# Altium PCB Gesturelink V1.PcbDoc (part 6 of 9) (continued)
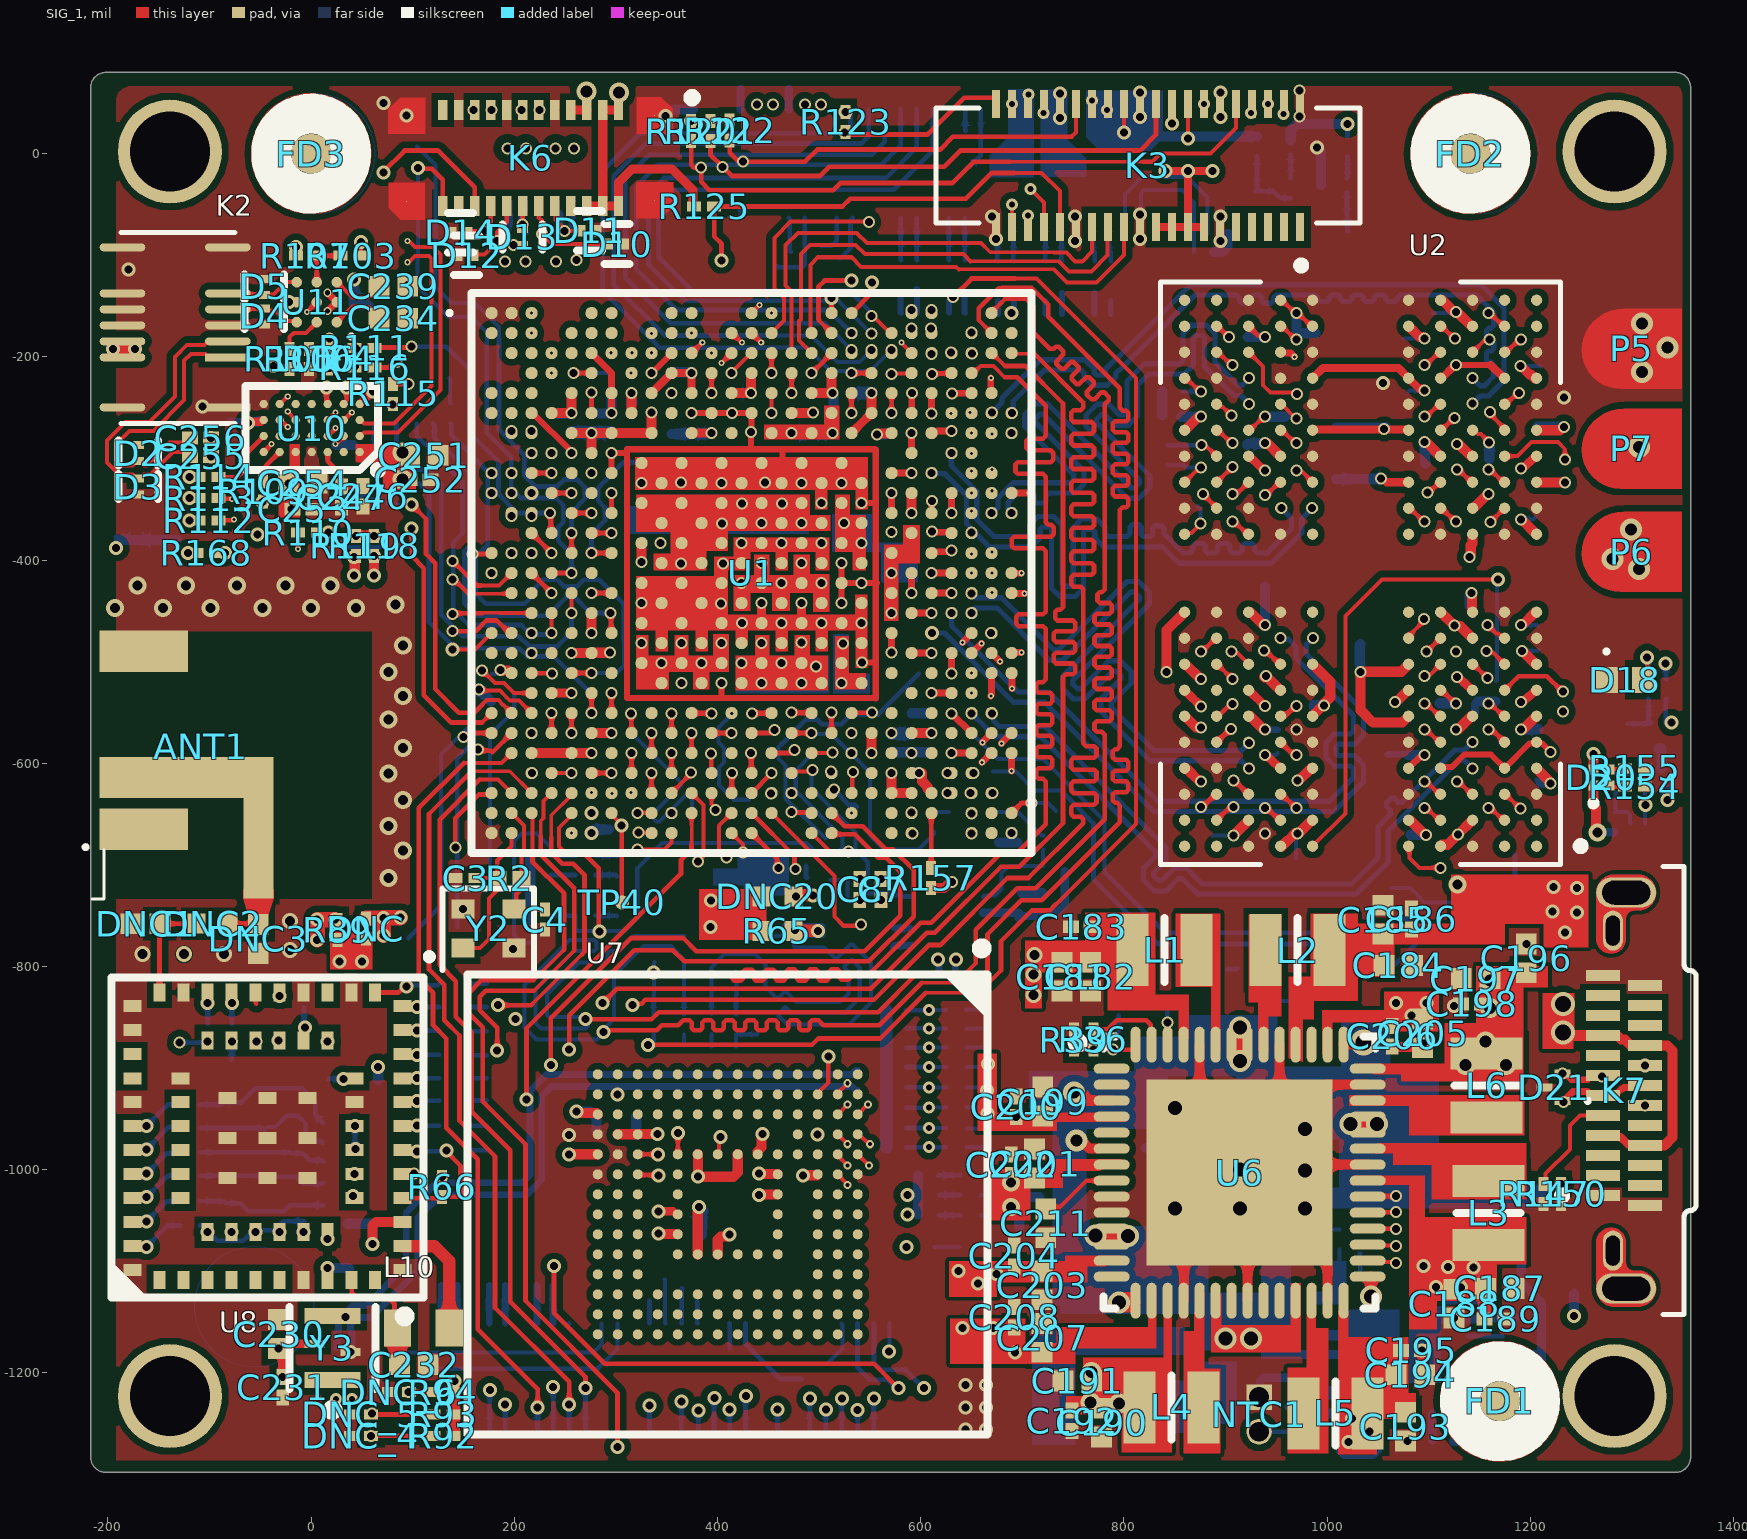
[diagram p0: SIG_1 view]
## Nets (pads, with @x,y where several pads share a name; then routed paths per layer and width w, separated by ;. In a path a pad name is that pad's centre, name@x,y a point inside that pad or via, vN(x,y) a via of type N, cw(c..) or ccw(c..) an arc to the next point about the centre after c; other vN are vias at no path point) (continued)
  SIG_2 w4.67: v7(260,-709.99) 344,-709.99 415,-638.99 415,-629.99 424,-620.99 441,-620.99 449,-628.99 449,-644.99 471,-666.99 v70(512,-666.99)
  SIG_4 w4.58: R145.2@236,-709.99 v7(260,-709.99)
  other v3: 531.9,-649.06
I2C5_SDA: R143.2 R146.2 U1.AC17 | length 530.6
  SIG_1 w4: U1.AC17@492.53,-590 492.67,-589.85 512.88,-589.85 v1(513.02,-589.71)
  SIG_4 w4: R143.2@260.16,-749.99 260.16,-762.81 262.5,-765.15 308.24,-765.15 321,-752.39 321,-702.99 345.35,-678.64 487.65,-678.64 497.08,-688.07 517.92,-688.07 523,-682.99 523,-673.47 477,-627.47 477,-606.96 493.96,-590 512.73,-590 v1(513.02,-589.71)
  SIG_4 w4.58: R146.2@235.84,-749.99 R143.2@260.16,-749.99
I2C7_SCL: R27.2 R33.1 U1.AE19 | length 727.7
  SIG_1 w4.58: U1.AE19@531.9,-629.37 532.53,-628.74 532.53,-609.06 v1(533.16,-608.43)
  HI_SPEED_SIG_2 w4.67: v50(564,-1029.99) 564,-1009.99 571,-1002.99 597,-1002.99 619,-1024.99 v34(638.22,-1024.99)
  SIG_2 w4.67: v8(459,-754.99) 459,-796.99 560,-897.99 560,-931.99 v8@546,-945.99 ; v7(618.22,-1024.99) v34(638.22,-1024.99)
  SIG_3 w4.63: v8(459,-754.99) 459,-730.99 468,-721.99 468,-689.91 531.9,-626.01 531.9,-609.69 v1(533.16,-608.43) ; v8@546,-945.99 545.17,-946.82 532.17,-946.82 516,-962.99 516,-1014.99 531,-1029.99 v50(564,-1029.99)
  SIG_4 w4.58: v7(618.22,-1024.99) R33.1@639,-1024.99
  other v8: 545.5,-946.49
I2C7_SDA: R26.2 R34.1 U1.AE16 | length 621.2
  HI_SPEED_SIG_2 w4.67: v50(544,-1012.99) 567,-989.99 600,-989.99 617,-1006.99 636,-1006.99 v34(637,-1005.99)
  SIG_2 w4.67: v8(440,-747.99) 440,-803.99 465,-828.99 465,-885.99 543.5,-964.49 v8(543.5,-978.49) ; v7(617,-1005.99) v34(637,-1005.99)
  SIG_3 w4.63: v8@440,-742.99 440,-731.99 448,-723.99 448,-678.99 460.83,-666.17 477.52,-666.17 492.53,-651.16 492.53,-638.52 484.99,-630.98 483.38,-629.37 472.84,-629.37 v22(472.75,-629.46) ; v50(544,-1012.99) 545,-1011.99 545,-978.99 v8@546,-977.99
  SIG_4 w4.58: v7(617,-1005.99) 617.5,-1005.49 638.5,-1005.49 R34.1@639,-1004.99
I2C8_SCL: K5.58 R170.2 U1.V3 | length 1127.1
  SIG_2 w4.67: v6(216.94,-491.57) 235.66,-491.57 269.55,-457.69 269.55,-445.76 262.75,-438.97 262.75,-426.56 269.66,-419.65 269.66,-407.11 262.75,-400.2 262.75,-387.49 269.55,-380.69 269.55,-366.93 262.75,-360.14 262.75,-347.77 269.55,-340.98 269.55,-327.03 262.75,-320.24 262.75,-307.99 308.45,-262.29 308.45,-245.88 303.62,-241.05 303.62,-224.64 341.27,-186.99 399,-186.99 533,-52.99 559,-52.99 581,-74.99 847.16,-74.99 v18(869.16,-96.99)
  SIG_4 w4: K5.58@816.6,-63.34 816.6,-39.39 820,-35.99 857,-35.99 869.16,-48.15 v18(869.16,-96.99)
  other v9: 216.94,-491.57
I2C8_SDA: K5.56 R169.2 U1.U3 | length 1173.3
  SIG_2 w4.67: v6(216.94,-471.89) 249.86,-438.96 249.86,-426.26 243.18,-419.58 243.18,-406.96 249.86,-400.28 249.86,-385.77 243.07,-378.98 243.07,-364.49 248.28,-359.28 248.28,-346.55 243.07,-341.34 243.07,-328.53 249.86,-321.73 249.86,-306.3 ; 249.82,-306.3 243.54,-300.01 243.54,-284.73 292.5,-235.76 292.5,-217.49 335,-174.99 396,-174.99 529,-41.99 566.05,-41.99 586.05,-61.99 644,-61.99 684.24,-21.75 722.76,-21.75 736.5,-35.49 838.66,-35.49 v18(882.16,-78.99)
  SIG_4 w4: K5.56@800.85,-63.34 800.85,-40.14 818,-22.99 862,-22.99 882.16,-43.15 v18(882.16,-78.99)
  other v9: 216.94,-471.89
INTn_PMIC: R28.2 R32.1 U1.AF17 | length 595.8
  SIG_1 w4.58: v22(473,-647.99) 473.53,-648.52 492,-648.52 U1.AF17@492.53,-649.06
  SIG_2 w4.67: v8(425.8,-734.97) 425.78,-805.22 417.89,-813.1 417.89,-863.88 528,-973.99 528,-988.99 538,-998.99 585.2,-998.99 600.72,-1014.51 600.72,-1027.72 v7(618,-1044.99)
  SIG_3 w4.63: v8(425.8,-734.97) 425.8,-724.97 412.68,-711.85 412.68,-685.31 450,-647.99 v22(473,-647.99)
  SIG_4 w4.58: R28.2@617.84,-1044.99 v7(618,-1044.99) R32.1@639,-1044.99
LIPO_IN: D30.2 F3.1 K1.1
LIPO_IN_CHARGER: C271.2 C272.2 C276.2 C277.2 F3.2 U3.C3 U20.17 | length 45.8
  SIG_4 w9: v23(821,-978.82) 821.53,-978.29 842.2,-978.29 844,-976.49 844,-976.31 U3.C3@865.63,-976.31
  other v23: 879,-1238.82 903,-1236.99 879,-1201.99 903,-1201.99 1037,-1184.99 1061,-1184.99 1037,-1149.99 1060,-1149.99
LVDS1_CLK_N: U1.K2 U301.6 | length 1042.7
  HI_SPEED_SIG_2 w3.7: v10@197.43,-333.81 196.82,-333.81 194.75,-335.87 194.14,-335.87 191.96,-338.06 191.96,-344.77 179.18,-357.55 168.21,-357.55 150,-339.34 150,-251.76 161.27,-240.49 161.27,-112.26 147,-97.99 147,-63.99 161.03,-49.96 308.69,-49.96 ; 308.72,-49.99 447.65,-49.99 480.65,-16.99 628,-16.99 731.73,-120.73 731.73,-131.08 737.64,-136.99 v29(739,-136.99)
  SIG_4 w5.85: U301.6@739,-157.72 v29(739,-136.99)
  other v6: 739,-155.99
  other v10: 197.25,-334.09
LVDS1_CLK_P: U1.K1 U301.7 | length 981.3
  HI_SPEED_SIG_2 w3.7: v10@177.75,-333.81 178.36,-333.81 180.42,-335.87 181.04,-335.87 183.22,-338.06 183.22,-341.15 175.56,-348.82 171.82,-348.82 158.73,-335.73 158.73,-255.38 170,-244.11 170,-108.64 155.73,-94.37 155.73,-67.61 164.65,-58.69 305.07,-58.69 ; 305.11,-58.73 451.27,-58.73 484.27,-25.73 624.38,-25.73 723,-124.34 723,-134.7 723.22,-134.92 723.22,-144.77 v29(723,-144.99)
  SIG_4 w5.85: v29(723,-144.99) 723,-157.47 U301.7@723.25,-157.72
  other v6: 724,-155.99
  other v10: 177.57,-334.09
LVDS1_D0_N: U1.G3 U300.7 | length 603
  HI_SPEED_SIG_2 w3.7: v10@216.71,-272.27 215.16,-270.71 215.16,-262.25 211.64,-258.73 211.64,-200.94 211.64,-189.87 211.64,-166.63 226.25,-152.01 ; 226.31,-151.99 421,-151.99 483,-89.99 594.65,-89.99 628,-123.34 v29(628,-144.99)
  SIG_4 w5.85: U300.7@627.75,-156.58 628,-156.33 v29(628,-144.99)
  other v6: 627,-150.65
  other v10: 216.71,-273.04
LVDS1_D0_P: U1.G2 U300.6 | length 637.3
  HI_SPEED_SIG_2 w3.7: v10@197.43,-274.75 198.98,-273.2 198.98,-262.66 202.91,-258.73 202.91,-200.94 202.91,-163.09 222.73,-143.26 417.38,-143.26 479.38,-81.26 598.27,-81.26 636.73,-119.73 636.73,-130.77 v29(643,-136.99)
  SIG_4 w5.85: v29(643,-136.99) 643.25,-137.24 643.25,-156.33 U300.6@643.5,-156.58
  other v6: 643,-150.99
  other v10: 197.43,-273.04
LVDS1_D1_N: U1.H4 U300.10 | length 526.1
  HI_SPEED_SIG_2 w3.7: v10@236.8,-294.44 236.8,-292.43 240.73,-288.5 240.73,-181.61 245.94,-176.4 430.75,-176.4 497.43,-109.73 572.38,-109.73 580,-117.34 v29(580,-140.99)
  SIG_4 w5.85: v29(580,-140.99) 580.25,-141.24 580.25,-156.33 U300.10@580.5,-156.58
  other v6: 581,-139.99
  other v10: 236.62,-294.72
LVDS1_D1_P: U1.H3 U300.9 | length 563.9
  HI_SPEED_SIG_2 w3.7: v10@217.12,-294.44 218.09,-294.44 232,-280.53 232,-177.99 242.32,-167.67 427.13,-167.67 493.81,-100.99 576,-100.99 588.73,-113.73 588.73,-127.08 594.64,-132.99 v29(596,-132.99)
  SIG_4 w5.85: v29(596,-132.99) 596.13,-133.12 596.13,-156.46 U300.9@596.25,-156.58
  other v6: 594.6,-139.62
  other v10: 216.94,-294.72
LVDS1_D2_N: U1.J2 U301.10 | length 766.8
  HI_SPEED_SIG_2 w3.7: v10@197.43,-314.12 191.96,-308.65 191.96,-289.7 184.73,-282.48 184.73,-259.99 190,-254.73 190,-147.56 206,-131.56 345.43,-131.56 399.26,-77.74 461.26,-77.74 489.41,-49.58 604.24,-49.58 676,-121.34 676,-144.99 v29(675.88,-145.11)
  SIG_4 w5.85: v29(675.88,-145.11) 675.88,-157.59 U301.10@676.01,-157.72
  other v6: 676,-154.99
  other v10: 197.25,-314.41
LVDS1_D2_P: U1.J1 U301.9 | length 799
  HI_SPEED_SIG_2 w3.7: v10@177.75,-314.12 183.22,-308.65 183.22,-293.31 176,-286.09 176,-256.37 181.27,-251.11 181.27,-143.94 202.38,-122.83 341.81,-122.83 395.64,-69 457.64,-69 485.79,-40.85 607.86,-40.85 685,-117.99 685,-130.89 691.22,-137.11 v29(691.88,-137.11)
  SIG_4 w5.85: U301.9@691.76,-157.72 691.88,-157.6 v29(691.88,-137.11)
  other v6: 690,-155.99
  other v10: 177.57,-314.41
LVDS1_D3_N: U1.L3 U302.5 | length 1227.2
  HI_SPEED_SIG_2 w3.7: v10(216.94,-356.78) 216.94,-357.53 211.46,-363 211.46,-371.19 204.16,-378.49 160.15,-378.49 131,-349.34 131,-253.99 111.01,-234 111.01,-70.98 131,-50.99 152.03,-29.96 300.19,-29.96 ; 300.22,-29.99 439.65,-29.99 479.65,10.01 703.35,10.01 732.73,-19.37 732.73,-53.37 787,-107.64 v29(787,-144.99)
  SIG_4 w5.85: U302.5@787,-157.72 v29(787,-144.99)
  other v6: 787,-156.99
LVDS1_D3_P: U1.L2 U302.6 | length 1173.2
  HI_SPEED_SIG_2 w3.7: v10(197.25,-356.78) 197.25,-357.53 202.73,-363 202.73,-367.57 200.54,-369.76 163.77,-369.76 139.73,-345.73 139.73,-250.37 119.74,-230.39 119.74,-74.6 155.65,-38.69 296.57,-38.69 ; 296.61,-38.73 443.27,-38.73 483.27,1.27 699.73,1.27 724,-22.99 724,-56.99 778.27,-111.26 778.27,-131.08 772.36,-136.99 v29(771,-136.99)
  SIG_4 w5.85: v29(771,-136.99) 771.13,-137.12 771.13,-157.6 U302.6@771.25,-157.72
  other v6: 772,-156.99
LVDS_RESET: U1.V1
MAIN_IRQ_CODEC: R115.2 U1.AB10 | length 940.5
  SIG_1 w4.63: R115.2@80.74,-226.65 80.91,-226.82 95.83,-226.82 v1(96,-226.99) ; U1.AB10@354.73,-570.31 v1(354.73,-550.99)
  SIG_2 w4.67: v8(155,-312.99) 138,-312.99 121,-329.99 121,-393.99 125.76,-398.75 125.76,-608.75 202.22,-685.22 337.78,-685.22 369,-653.99 369,-639.45 350,-620.45 350,-605.91 341.49,-597.41 341.49,-583.5 354.73,-570.26 v1(354.73,-550.99)
  SIG_3 w4.63: v1(96,-226.99) 97.17,-226.99 122.25,-201.91 147.92,-201.91 155,-208.99 v8(155,-312.99)
MIC_N: C255.2 D3.1 K2.3 | length 305.2
  SIG_1 w3.94: C255.2@-119.16,-297.99 -123.49,-293.66 -127.18,-293.66 -127.37,-293.48 -135.82,-293.48 -143.96,-301.62 -158.18,-315.83 -164.27,-315.83 -168.43,-319.99 D3.1@-170,-319.99 -171.57,-319.99 -175.73,-315.83 -189.24,-315.83 -200.94,-304.14 -200.94,-282.29 -182.7,-264.06 -159.06,-264.06 -134,-238.99 -134,-199.99 -122.15,-188.15 -104.78,-188.15 -101.37,-184.74 K2.3@-82,-184.74
MIC_P: C256.2 D2.1 K2.2 | length 275.6
  SIG_1 w3.94: C256.2@-119.24,-279.99 -123.57,-284.32 -127.23,-284.32 -127.45,-284.54 -139.52,-284.54 -152.9,-297.92 -161.88,-306.9 -164.27,-306.9 -168.43,-302.74 D2.1@-170,-302.74 -171.57,-302.74 -175.73,-306.9 -185.54,-306.9 -192,-300.43 -192,-285.99 -179,-272.99 -155.36,-272.99 -125.06,-242.69 -125.06,-203.69 -118.45,-197.08 -103.91,-197.08 -100.5,-200.49 K2.2@-82,-200.49
MIC_VDD: C253.2 C254.2 K2.12 K2.13 R118.1 R119.1 U10.A5 | length 36
  SIG_1 w10: v2@-191.22,-192.52 v2(-173.22,-192.52) ; v14(44,-376.31) v14(62,-376.31)
  other v2: -195.22,-192.52
  other v14: -19.47,-349.99 -22.43,-324.5
MPU_VIN: C159.2 C160.2 C161.2 C162.2 C163.2 C164.2 C165.2 C166.2 C167.2 C168.2 C169.2 C170.2 C171.2 C172.2 C173.2 C174.2 C175.2 C176.2 C177.2 C178.2 C179.2 C180.2 L11.2 U6.3 U6.6 U6.11 U6.12 U6.15 U6.20 U6.25 U6.38 U6.39 U6.43 U6.49 U6.50 U20.16 | length 191.5
  SIG_1 w4: v67@1038.84,-877.02 v67@1038.84,-874.85
  SIG_1 w4.2: U6.3@787.82,-932.07 U6.3@787.9,-932.14
  SIG_1 w4.58: v28(772,-1064.99) v28@772.17,-1065.16 ; v28@803.9,-1065.16 v28(804.07,-1065.33) ; v28(914,-893.19) v28@914.07,-893.13 ; v28@914.07,-860.16 v28(914.13,-860.1)
  SIG_1 w10: v30(750.94,-923.9) 759.11,-932.07 U6.3@787.82,-932.07 ; v30(753.17,-971.21) 757.92,-971.21 766.1,-979.39 U6.6@775.18,-979.39 ; U6.43@1016.24,-877.02 v67@1038.84,-877.02 ; v28(1023,-954.99) v28@1047,-954.99
  SIG_1 w20: v28@772.17,-1065.16 v28@803.9,-1065.16 ; v28(795,-1130.99) 795.32,-1130.68 806.44,-1130.68 ; v28@914.07,-893.13 v28@914.07,-860.16
  other v28: 900,-1165.99 925,-1165.99 1049,-954.99
  other v67: 1035.84,-874.85
NetC154_2: C154.2 U3.B3 | length 21.5
  SIG_4 w4: U3.B3@885.31,-976.31 885.53,-976.31 C154.2@885.53,-954.99
NetC211_2: C211.2 U6.8 | length 74.3
  SIG_1 w4.2: C211.2@726,-1040.82 729.9,-1036.92 737.08,-1036.92 763.11,-1010.88 U6.8@787.9,-1010.88
NetC226_2: C226.2 U7.C2 | length 37.4
  SIG_1 w4: U7.C2@498.63,-925.88 498.63,-924.7 509,-914.33 v2@509,-892.78
  other v2: 509,-888.78
NetC232_2: C232.2 L10.1 U8.43 | length 120.8
  SIG_1 w4.2: C232.2@85,-1190.17 C232.2@86.83,-1191.99
  SIG_1 w4.58: U8.43@39.73,-1108.82 40,-1109.09 40,-1120.99 44,-1124.99 75,-1124.99 82,-1131.99 82,-1152.99 L10.1@85,-1155.99
  SIG_1 w15: C232.2@85,-1190.17 L10.1@85,-1155.99
NetC246_2: C246.2 C247.2 U10.A3 | length 61
  SIG_1 w4.63: U10.A3@16.24,-293.74 16.24,-302.73 29.17,-315.65 29.17,-326.92 C247.2@30,-327.76 50.24,-327.76 C246.2@51,-326.99
NetC270_2: C270.2 U1.R7 | length 479.4
  SIG_1 w4.58: v1(275.99,-432.52) U1.R7@295.68,-432.52
  HI_SPEED_SIG_2 w4.63: v1(275.99,-432.52) 296.53,-432.52 312.49,-448.48 312.49,-488.17 360.24,-535.93
  HI_SPEED_SIG_2 w4.67: 360.24,-535.93 441.14,-535.93 467.68,-562.47 467.68,-574.31 439.45,-602.54 439.45,-668.44 470.26,-699.25 485.26,-699.25 v20(487,-700.99)
  SIG_4 w4.58: v20(487,-700.99) 487,-711.82 C270.2@488,-712.82
NetC273_1: C273.1 L11.1 U20.4 | length 345.6
  SIG_4 w9: C273.1@1124.57,-1267.33 1177.67,-1267.33 1211,-1233.99 1211,-1199.47 ; U20.4@1138.87,-1181.85 1205.73,-1181.85 1211,-1187.12 1211,-1199.47 ; L11.1@1191,-1083.57 1191,-1110.99 1211,-1130.99 1211,-1199.47
NetC273_2: C273.2 U20.8 | length 27.7
  SIG_4 w4: C273.2@1103.43,-1266.66 C273.2@1104.1,-1267.33
  SIG_4 w8: C273.2@1103.43,-1266.66 U20.8@1103.43,-1239.92
NetC274_2: C274.2 U20.3 | length 136.8
  SIG_3 w15: v12(1173,-1163.99) 1173.14,-1164.13 1191.86,-1164.13 1211.83,-1144.17 v2@1244,-1144.17
  SIG_4 w4: U20.3@1138.87,-1164.13 1138.87,-1163.99 v12(1173,-1163.99) ; C274.2@1242,-1121.17 C274.2@1243,-1122.17
  SIG_4 w10: v2(1243,-1143.99) C274.2@1243,-1122.17
NetC275_2: C275.2 U20.13 U20.14 | length 82.9
  SIG_4 w4: U20.14@997.13,-1217.28 1014.85,-1235 U20.13@1014.85,-1239.92
  SIG_4 w10: C275.2@963,-1233.17 968.24,-1238.4 972.57,-1238.4 974.09,-1239.92 1013.09,-1239.92
NetC300_2: C300.2 U10.D3 | length 17
  SIG_1 w4.63: v2(15,-229.99) 15,-242.93 15.56,-243.49 15.56,-245.81 U10.D3@16.24,-246.5
NetD1_1: D1.1 F2.2
NetD10_1: D10.1 K6.13 R133.2 | length 689
  SIG_1 w4: K6.13@224,-51.48 224,-62.68 227,-65.68 v9(227,-78.99) 237,-88.99 D10.1@293,-88.99
  PWR_2 w4.91: v9(227,-78.99) 227,-79.7 233,-85.7 v6(233,-85.99)
  SIG_2 w4.67: v7@104,-246.15 104,-262.99 81,-285.99 51,-285.99 29,-263.99 20,-263.99 0.78,-244.77 0.78,-78.22 30,-48.99 146,-48.99 154,-40.99 205,-40.99 227.76,-63.75 227.76,-78.23 v9(227,-78.99)
  other v7: 104,-245.98
NetD11_1: D11.1 K6.15 R134.2 | length 793.3
  SIG_1 w4: K6.15@239.75,-51.48 240.5,-52.23 240.5,-65.49 v9@249.25,-74.24 ; v9(249.25,-76.12) v9(249.25,-76.12) 265.94,-76.06 D11.1@266,-75.99
  SIG_2 w4.67: v7(120,-234.99) 121,-235.99 121,-265.99 72,-314.99 23,-314.99 -11,-280.99 -11,-148.99 -37,-122.99 -37,-91.99 16.5,-38.49 135.5,-38.49 145,-28.99 213,-28.99 249.25,-65.24 v9@249.25,-79.12
  SIG_4 w4: R134.2@120,-245.98 v7(120,-234.99)
  other v6: 248,-82.99
NetD12_1: D12.1 K6.9 R135.2 | length 379
  SIG_1 w4: D12.1@161,-99.99 161.48,-99.51 170.54,-99.51 183,-87.05 v6(183,-85.99) 183,-76.99 192.5,-67.49 K6.9@192.5,-51.48
  SIG_2 w4.67: v7(136,-220.99) 134.26,-219.25 123.73,-219.25 121,-216.51 121,-216.34 113,-208.34 113,-180.99 97,-164.99 73.73,-164.99 71,-162.26 71,-97.99 76,-92.99 174.07,-92.99 181.07,-85.99 v6(183,-85.99)
  SIG_4 w4: v7(136,-220.99) 136.5,-221.49 136.5,-245.48 R135.2@137,-245.98
  other v9: 183,-85.99
NetD13_1: D13.1 K6.11 R136.2 | length 491.6
  SIG_1 w4.67: K6.11@208.25,-51.48 208.13,-51.61 208.13,-74.12 D13.1@208.43,-74.12
  SIG_2 w4.67: v7(84,-245.98) 82.26,-247.73 82.26,-259.74 73,-268.99 57,-268.99 45,-256.99 45,-243.03 53,-235.03 53,-219.99 44,-210.99 44,-185.61 13,-154.61 13,-81.99 35,-59.99 156,-59.99 162,-53.99 192,-53.99 v9(208,-69.99)
  other v6: 208,-73.99
NetD14_1: D14.1 K6.7 R137.2 | length 380.2
  SIG_1 w4: v9(170.01,-76.36) 170.01,-74.24 176.76,-67.49 K6.7@176.76,-51.48
  SIG_1 w4.67: D14.1@155,-77.99 156.6,-76.36 v9(170.01,-76.36)
  SIG_2 w4.67: v7@62,-246.15 62,-244.5 71,-235.5 71,-217.99 62,-208.99 62,-185.99 24,-147.99 24,-88.99 43,-69.99 163.64,-69.99 v9(170.01,-76.36)
  other v6: 165.75,-83.99 168.75,-83.99
  other v7: 62,-245.98
NetD20_2: D20.2 R154.1 | length 16.6
  SIG_1 w4: D20.2@1277.87,-621.87 1279.44,-623.43 1291.59,-623.43 R154.1@1293.16,-624.99
NetD20_3: D20.3 R155.1 | length 15.7
  SIG_1 w4: D20.3@1277.87,-606.12 1278.44,-605.56 1292.59,-605.56 R155.1@1293.16,-604.99
NetD23_2: D23.2 R128.2 R129.2 | length 71
  SIG_4 w4.58: D23.2@930,-36.99 D23.2@931,-36.99 ; R128.2@931,-2.83 D23.2@931,-36.99 ; R129.2@964,-43.83 953.84,-43.83 947,-36.99 D23.2@931,-36.99
NetDNC_4_1: DNC_4.1 R92.2 U8.56 | length 535.3
  SIG_1 w4.58: v1(58.84,-1261.99) R92.2@120.32,-1261.99
  SIG_2 w4.67: v46(-61,-1153.99) -61,-1174.99 26,-1261.99 v1(58.84,-1261.99)
  SIG_3 w4.63: v22(-102,-873.99) -102,-1112.99 v46(-61,-1153.99)
NetDNC_5_1: DNC_5.1 R93.2 U8.55 | length 512.4
  SIG_1 w4.2: 96.18,-1241.01 R93.2@118.98,-1241.01
  SIG_1 w4.58: DNC_5.1@59.83,-1241.01 96.18,-1241.01
  SIG_2 w4.67: v46(-35,-1153.99) -35,-1163.99 -6,-1192.99 43,-1192.99 59.83,-1209.82 v1@59.83,-1241.01
  SIG_3 w4.63: v22(-78,-873.99) -77.28,-873.99 -62,-889.27 -62,-1103.99 -35,-1130.99 v46(-35,-1153.99)
  other v1: 59.83,-1240.01
NetDNC_6_1: DNC_6.1 R94.2 U8.54 | length 464.1
  SIG_1 w4.2: DNC_6.1@96.18,-1219 R94.2@120.32,-1219
  SIG_2 w4.67: v46(-8,-1153.99) -8,-1162.49 8.5,-1178.99 56,-1178.99 v9(96,-1218.99)
  SIG_3 w4.63: v22(-54,-873.99) -44,-883.99 -44,-909.99 -29,-924.99 -29,-945.99 -35,-951.99 -35,-1000.99 -27,-1008.99 -27,-1104.99 -8,-1123.99 v46(-8,-1153.99)
NetK4_3: K4.3 U220.5 | length 37.7
  SIG_4 w4.58: U220.5@128,-1113.72 U220.5@128.13,-1113.85 ; K4.3@128.13,-1151.17 K4.3@128.25,-1151.3
  SIG_4 w6.67: K4.3@128.13,-1151.17 U220.5@128.13,-1113.85
NetK4_5: K4.5 U220.4 | length 37.7
  SIG_4 w4.58: U220.4@143.75,-1113.72 U220.4@143.87,-1113.85 ; K4.5@143.87,-1151.17 K4.5@144,-1151.3
  SIG_4 w6.67: K4.5@143.87,-1151.17 U220.4@143.87,-1113.85
NetK4_9: K4.9 U220.2 | length 37.7
  SIG_4 w4.58: U220.2@175.24,-1113.72 U220.2@175.37,-1113.85 ; K4.9@175.37,-1151.17 K4.9@175.5,-1151.3
  SIG_4 w6.67: K4.9@175.37,-1151.17 U220.2@175.37,-1113.85
NetK4_10: K4.10 U1.AA19 | length 1296.5
  SIG_1 w4.58: U1.AA19@531.9,-550.63 532.11,-550.41 551.58,-550.41 v22(551.79,-550.2)
  SIG_2 w4.67: v8(514,-768.99) 514,-784.99 v8(565,-835.99)
  SIG_3 w4.63: v2(176,-1216.99) 176,-1188.99 101,-1113.99 101,-1055.99 117,-1039.99 196,-1039.99 226,-1009.99 226,-910.99 206,-890.99 206,-862.99 225,-843.99 294.88,-843.99 307.88,-830.99 385,-830.99 396,-819.99 549,-819.99 v8(565,-835.99) ; v8(514,-768.99) 514,-712.99 551,-675.99 551,-608.11 518.68,-575.79 518.68,-564.84 533.53,-549.99 551.59,-549.99 v22(551.79,-550.2)
  SIG_4 w4.58: K4.10@175.5,-1257.99 175.75,-1257.74 175.75,-1217.24 v2(176,-1216.99)
NetK4_11: K4.11 U220.1 | length 37.7
  SIG_4 w4.58: U220.1@190.99,-1113.72 U220.1@191.12,-1113.85 ; K4.11@191.12,-1151.17 K4.11@191.24,-1151.3
  SIG_4 w6.67: K4.11@191.12,-1151.17 U220.1@191.12,-1113.85
NetK4_12: K4.12 U1.AB18 | length 1365.5
  SIG_1 w4.58: v1(512,-549.99) 512.11,-550.1 512.11,-570.21 U1.AB18@512.21,-570.31
  SIG_2 w4.67: v8(495.04,-760.04) 495,-760.08 495,-791.99 v8(546,-842.99)
  SIG_3 w4.63: v2(191,-1230.99) 191,-1186.99 111,-1106.99 111,-1059.99 121,-1049.99 207,-1049.99 237,-1019.99 237,-907.99 218,-888.99 218,-868.99 231,-855.99 300,-855.99 316,-839.99 389.75,-839.99 399.75,-829.99 533,-829.99 v8(546,-842.99) ; v8(495.04,-760.04) v8(495.04,-760.04) 480,-759.99 470,-769.99 431,-769.99 411.37,-750.36 411.37,-730.63 399,-718.26 399,-675.99 414,-660.99 414,-629.99 494,-549.99 v1(512,-549.99)
  SIG_4 w4.58: v2(191,-1230.99) 191.12,-1231.11 191.12,-1257.87 K4.12@191.24,-1257.99
NetK4_15: K4.15 U222.6 | length 37.9
  SIG_4 w4.58: U222.6@222,-1113.72 U222.6@222.37,-1114.09 ; K4.15@222.37,-1150.93 K4.15@222.74,-1151.3
  SIG_4 w6.67: K4.15@222.37,-1150.93 U222.6@222.37,-1114.09
NetK4_17: K4.17 U222.5 | length 37.9
  SIG_4 w4.58: U222.5@237.75,-1113.72 U222.5@238.12,-1114.09 ; K4.17@238.12,-1150.93 K4.17@238.49,-1151.3
  SIG_4 w6.67: K4.17@238.12,-1150.93 U222.5@238.12,-1114.09
NetK5_28: K5.28 U300.1 | length 41.6
  SIG_4 w4.58: K5.28@580.38,-63.34 580.44,-63.4 580.44,-104.79 U300.1@580.5,-104.85
NetK5_30: K5.30 U300.2 | length 41.6
  SIG_4 w4.58: K5.30@596.13,-63.34 596.19,-63.4 596.19,-104.79 U300.2@596.25,-104.85
NetK5_34: K5.34 U300.4 | length 41.6
  SIG_4 w4.58: K5.34@627.62,-63.34 627.69,-63.4 627.69,-104.79 U300.4@627.75,-104.85
NetK5_36: K5.36 U300.5 | length 41.6
  SIG_4 w4.58: K5.36@643.37,-63.34 643.43,-63.4 643.43,-104.79 U300.5@643.5,-104.85
NetK5_40: K5.40 U301.1 | length 43.1
  SIG_4 w4.58: K5.40@674.87,-63.34 675.44,-63.91 675.44,-105.42 U301.1@676.01,-105.99
NetK5_42: K5.42 U301.2 | length 43.1
  SIG_4 w4.58: K5.42@690.61,-63.34 691.19,-63.91 691.19,-105.42 U301.2@691.76,-105.99
NetK5_46: K5.46 U301.4 | length 43.1
  SIG_4 w4.58: K5.46@722.11,-63.34 722.68,-63.91 722.68,-105.42 U301.4@723.25,-105.99
NetK5_48: K5.48 U301.5 | length 43.1
  SIG_4 w4.58: K5.48@737.86,-63.34 738.43,-63.91 738.43,-105.42 U301.5@739,-105.99
NetK5_52: K5.52 U302.1 | length 43.4
  SIG_4 w4.58: K5.52@769.35,-63.34 769.35,-94.76 771.25,-96.66 U302.1@771.25,-105.99
NetK5_54: K5.54 U302.2 | length 43.4
  SIG_4 w4.58: K5.54@785.1,-63.34 785.1,-94.76 787,-96.66 U302.2@787,-105.99
NetK6_2: U1.K4 | length 19.7
  SIG_1 w4.58: U1.K4@236.62,-334.09 v1(256.31,-334.09)
NetK6_5: K6.5 U1.J3 | length 796.3
  SIG_1 w4.58: U1.J3@216.94,-314.41 v1(236.62,-314.41)
  SIG_1 w4.67: v2(71.05,-18.8) 71.05,-17.94 92,3.01 125,3.01 161.01,-33 K6.5@161.01,-51.48
  HI_SPEED_SIG_1 w4.63: v2(71.05,-18.8) 14.19,-18.8 -48,-80.99 -48,-158.99 -12.3,-194.7 23.26,-194.7 44.97,-172.99 100,-172.99 120,-192.99 120,-284.99 127,-291.99 194,-291.99 216.42,-314.41 v1(236.62,-314.41)
NetK6_17: K6.17
NetK7_A5: K7.A5 R147.1 | length 105.2
  SIG_1 w4: R147.1@1213,-1014.31 1214.99,-1012.32 1214.99,-1004 1239,-979.99 1239,-956.57 1248.73,-946.83 K7.A5@1271.66,-946.83
NetK7_B5: K7.B5 R150.1 | length 150.9
  HI_SPEED_SIG_2 w4.67: v31(1230,-1014.15) 1275,-969.15 1275,-935.62 v31(1313,-897.62)
NetL1_1: L1.1 U6.51
NetL2_1: L2.1 U6.48
NetL3_1: L3.1 U6.37
NetL4_1: L4.1 U6.19
NetL5_1: L5.1 U6.26
NetL6_1: L6.1 U6.40
NetNTC1_1: NTC1.1 R175.2 | length 62.1
  SIG_4 w4: NTC1.1@933,-1257.99 965,-1257.99 975,-1267.99 R175.2@991,-1267.99
NetQ1_1: Q1.1 R129.1 | length 23.5
  SIG_4 w4.58: R129.1@964,-24.15 964.2,-24.15 Q1.1@964.2,-0.88
NetQ2_1: Q2.1 R130.1 | length 21.4
  SIG_4 w4.58: Q2.1@1019.59,-24.1 1020,-23.69 R130.1@1020,-2.83
NetQ2_2: Q2.2 R131.2 R132.2 | length 39.6
  SIG_4 w4.58: Q2.2@1019.59,-37.88 1019.59,-59.9 R131.2@1019.69,-59.99 1019.69,-75.99 R132.2@1020.69,-76.99
NetQ3_1: Q3.1 R165.2 R166.1 | length 45.6
  SIG_4 w4: R166.1@1285,-628.68 1284,-629.68 1284,-647.15 R165.2@1283,-648.15 1295.66,-648.15 1298,-650.49 1298,-658.29 Q3.1@1299.11,-659.4
NetQ4_1: Q4.1 R152.2 R153.1 | length 46.5
  SIG_4 w4.58: R153.1@1296,-561.15 1318.16,-561.15 Q4.1@1319.11,-560.2 ; R152.2@1316,-536.83 1316.5,-537.33 1316.5,-558.9 Q4.1@1317,-559.4
NetQ5_1: Q5.1 R158.2 R159.1 | length 183.9
  SIG_3 w4.63: v35(627,-646.99) 627,-678.99 633.01,-685 635,-686.99 653,-686.99 668,-671.99 v35(668,-647.99)
  SIG_4 w4: R158.2@613,-648.15 R159.1@628,-648.15 ; v35(668,-647.99) 695.72,-647.99 718.83,-671.1 Q5.1@720.8,-671.1
NetQ5_2: Q5.2 R162.2 U13.3 | length 96.8
  SIG_4 w4: U13.3@661.43,-731.47 662.55,-730.35 673.07,-730.35 679.7,-723.72 679.7,-708.3 687,-700.99 R162.2@720.16,-700.99 720.16,-685.52 Q5.2@720.8,-684.88
NetQ6_1: Q6.1 R160.2 R161.1 | length 35.5
  SIG_4 w4: R161.1@511,-715.15 527.68,-715.15 528,-714.83 528.06,-714.89 528.06,-733.14 Q6.1@528.11,-733.2
NetQ6_2: Q6.2 R156.2 U13.12 | length 53.6
  SIG_4 w4.58: Q6.2@541.89,-733.2 541.89,-731.23 544.52,-728.59 546.49,-728.59 547.25,-727.83 R156.2@569,-727.83 570.95,-729.78 578.1,-729.78 579.46,-731.13 590.23,-731.13 U13.12@590.57,-731.47
NetR3_2: R3.2 U1.W2 | length 22
  SIG_1 w10: v1(186.32,-508.36) 186.67,-508.71 194.1,-508.71 196.66,-511.26 U1.W2@197.25,-511.26
  SIG_4 w4: R3.2@177.96,-512.03 180.53,-512.03 184.21,-508.36 v1(186.32,-508.36)
NetR4_1: R4.1 U1.AF27 | length 51.1
  SIG_1 w4.6: U1.AF27@689.41,-649.02 699.33,-639.11 v1(709,-639.11)
  SIG_4 w4: v1(709,-639.11) 725.12,-639.11 R4.1@733.08,-647.07
NetR5_1: R5.1 U1.F6 | length 20.2
  SIG_1 w4.67: U1.F6@275.99,-255.35 v1(276,-235.15)
NetR6_1: R6.1 U1.K22 | length 19.7
  SIG_1 w10: v1(590.95,-353.78) U1.K22@590.95,-334.09
NetR7_1: R7.1 U1.D6 | length 55.7
  SIG_1 w4.2: v1(258,-215.99) U1.D6@275.99,-215.98
  SIG_4 w4: v1(258,-215.99) R7.1@295.68,-215.98
NetR9_2: R9.2 U2.G2 | length 69.2
  SIG_1 w3.94: U2.G2@1174.73,-528.15 1181.81,-521.07
  SIG_1 w4.58: 1181.81,-521.07 1188.59,-514.3 1216.27,-514.3 1231.28,-529.31 v1(1232,-529.31)
NetR10_2: R10.2 U2.T2 | length 77.9
  SIG_1 w3.94: U2.T2@1174.73,-297.83 1187.16,-297.83 1201,-283.99 1227,-283.99 1234,-290.99 v1(1234,-300.99)
NetR11_2: R11.2 U2.A5 | length 45.8
  SIG_1 w3.94: U2.A5@1080.24,-681.69 1081.12,-682.57 1081.12,-693.11 1091,-702.99 v1@1111,-702.99
  other v1: 1111.72,-702.99
NetR12_2: R12.2 U2.A8 | length 505.8
  SIG_1 w4: U2.A8@985.76,-681.69 1018,-649.45 1018,-454.99 1054,-418.99 v2(1168,-418.99)
  SIG_4 w4: R12.2@1166,-518.99 1167,-517.99 1167,-419.99 v2(1168,-418.99)
NetR15_2: R15.2 R19.1 | length 14.1
  SIG_4 w4: R15.2@931.84,-801.99 931.84,-815.68 R19.1@932.16,-815.99
NetR16_1: R16.1 | length 878.9
  SIG_1 w4.58: v1@531,-570.32 v1@531.45,-570.76
  SIG_3 w4.63: v1(531.9,-570.32) 550.68,-570.32 563.43,-583.07 576.55,-583.07 601.29,-558.33 615.22,-558.33 622.41,-565.51 645.96,-565.51 652.91,-572.47 v35(652.91,-573.08)
  SIG_4 w4: v35(652.91,-573.08) 675.83,-595.99 720.2,-595.99 781,-656.79 781,-707.49 ; R16.1@951.69,-833.99 977,-833.99 996,-814.99
  SIG_4 w4.58: 781,-707.49 840.5,-766.99 1052,-766.99 1066,-752.99 1083,-752.99 1092,-761.99 1092,-772.99 1067,-797.99 1013,-797.99 996,-814.99